# Altium PCB LimePSB-RPCM_1v3.PcbDoc (part 6 of 10) (continued)
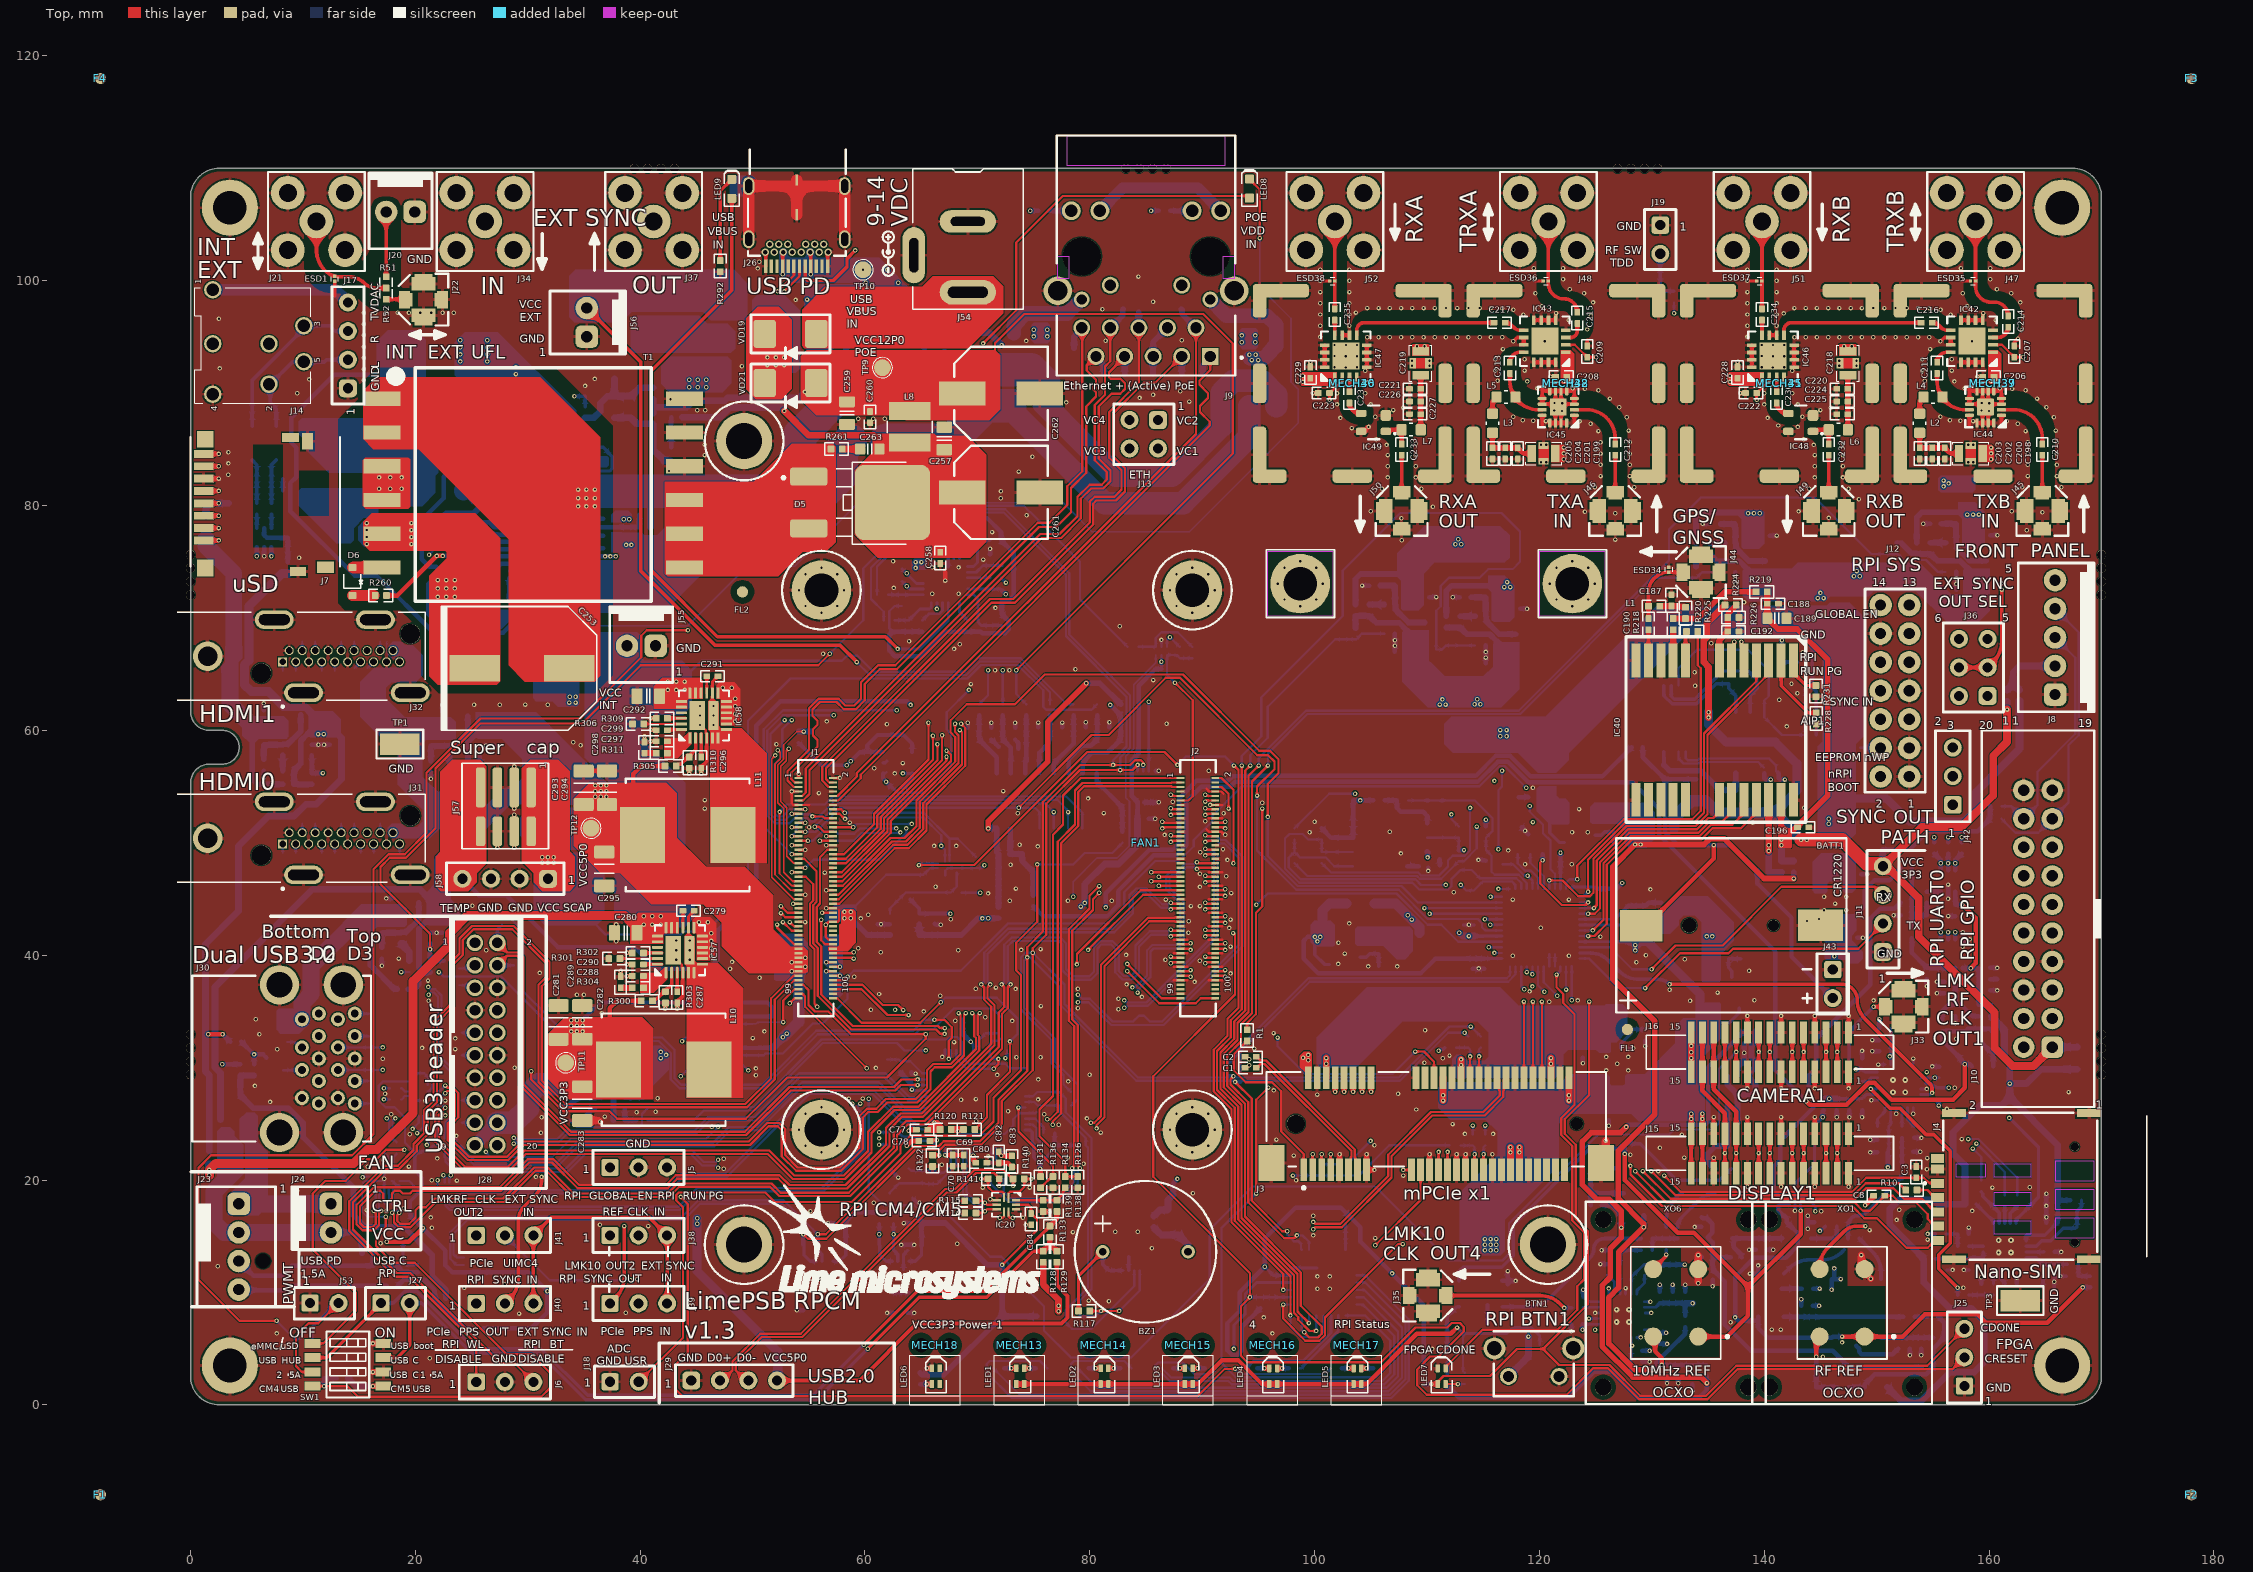
[diagram p0: Top view]
## Nets (pads, with @x,y where several pads share a name; then routed paths per layer and width w, separated by ;. In a path a pad name is that pad's centre, name@x,y a point inside that pad or via, vN(x,y) a via of type N, cw(c..) or ccw(c..) an arc to the next point about the centre after c; other vN are vias at no path point) (continued)
NetC148_1: C148.1 IC33.3 IC33.4 R180.2 | length 5.1
  Bottom w0.4: R180.2@153.14,41.489 153.14,40.208 154.374,38.974 154.424,38.974 154.474,38.924 C148.1@154.474,38.874 154.484,38.884 155.699,38.884 IC33.3@156.349,38.884
NetC150_1: C150.1 IC34.8 | length 1.3
  Bottom w0.3: C150.1@158.2,14.1 IC34.8@159.5,14.1
NetC150_2: C150.2 C151.1 R189.2 | length 2.1
  Bottom w0.3: C151.1@156.2,15.2 R189.2@157.2,15.2 C150.2@157.2,14.1
NetC154_2: C154.2 R186.1 R188.2 | length 2.1
  Bottom w0.325: R188.2@167.949,12.5 C154.2@167.949,11.45 R186.1@168.999,11.45
NetC155_1: C155.1 R193.2 | length 1.1
  Bottom w0.3: R193.2@164.799,10.4 C155.1@164.799,11.5
NetC155_2: C155.2 C156.2 IC34.20 R188.1 | length 3.9
  Bottom w0.3: IC34.20@163.3,13.1 164.199,13.1 164.649,12.65 164.699,12.65 164.849,12.5 C156.2@165.799,12.5 R188.1@166.949,12.5
NetC157_1: C157.1 IC34.4 | length 1.5
  Bottom w0.3: IC34.4@160.9,12.05 160.9,11.375 161.3,10.975 161.3,10.925 161.4,10.825 C157.1@161.45,10.825
NetC158_1: C158.1 IC34.12 R195.2 | length 3.3
  Bottom w0.3: R195.2@159.3,18.95 159.45,18.8 159.45,18.55 160.2,17.8 160.25,17.8 160.35,17.7 C158.1@160.35,17.65 ; C158.1@160.5,17.5 160.9,17.1 IC34.12@160.9,16.15
NetC160_2: C160.2 C161.2 C162.1 R204.2 XO6.4 | length 6.9
  Top w0.4: XO6.4@130.125,6.075 130.3,5.9 130.3,4.75 130.889,4.161 v1(130.889,3.551)
  Bottom w0.325: C162.1@131.35,3.55 131.353,3.547 C161.2@133.6,3.547 R204.2@134.9,3.547
  Bottom w0.4: v1(130.889,3.551) C162.1@131.35,3.55
NetC163_1: C163.1 IC36.21 | length 1.7
  Bottom w0.25: IC36.21@127.164,9.849 C163.1@127.164,11.524
NetC163_2: C163.2 C164.1 R206.2 | length 3.1
  Bottom w0.325: C163.2@127.164,12.524 R206.2@127.164,13.749 C164.1@129.049,13.749
NetC164_2: C164.2 R203.1 R209.1 R213.2 R216.1 | length 3.3
  Bottom w0.325: C164.2@130.05,13.75 R213.2@130.05,14.8 R209.1@131.275,14.8 R216.1@132.3,14.8
NetC165_2: C165.2 IC36.20 | length 1.9
  Bottom w0.25: C165.2@126.064,11.524 126.664,10.924 IC36.20@126.664,9.849
NetC166_2: C166.2 C167.2 R208.2 R210.1 XO7.5 XO8.4 | length 6
  Bottom w0.4: R210.1@124.55,17.775 C166.2@124.55,18.825 ; R208.2@124.55,20.875 C166.2@124.55,18.825 ; XO7.5@127.49,18.836 127.479,18.825 C166.2@124.55,18.825
NetC172_2: C172.2 C173.2 R214.2 XO9.9 | length 4.5
  Bottom w0.325: R214.2@111.8,4.8 C172.2@111.8,5.85 C173.2@111.8,6.85 111.8,7.85 112.675,8.725 XO9.9@112.85,8.725
NetC174_2: C174.2 XO9.7 | length 1.6
  Bottom w0.325: C174.2@115.375,7.275 XO9.7@115.375,8.9
NetC181_2: C181.2 C183.2 IC37.1 IC37.3 R215.2 R217.2 | length 12.5
  Bottom w0.5: IC37.1@136.7,29.225 136.7,28.525 137.625,27.6 ; R217.2@137.625,25.075 137.625,27.6 ; IC37.3@138.6,29.025 IC37.3@138.6,29.125 ; R215.2@139.2,33.225 C183.2@139.2,32.175 139.15,32.175 138.85,31.875 138.85,30.925 139.15,30.625 139.15,30.575 C181.2@139.2,30.575 139.2,30.025 138.6,29.425 IC37.3@138.6,29.225 IC37.3@138.6,29.125 ; 137.625,27.6 138.925,27.6 139.225,27.9 139.225,28.5 IC37.3@138.6,29.125
NetC182_2: C182.2 C184.2 IC37.5 R217.1 XO10.4 | length 7.2
  Bottom w0.5: XO10.4@135.6,21 134.95,21.65 134.95,22.325 135.65,23.025 C182.2@136.675,23.025 ; C182.2@136.7,23.025 IC37.5@136.7,26.625
NetC187_2: C187.2 L1.2 R220.1 | length 2.3
  Top w0.5: L1.2@130.7,71.05 132.9,71.05 R220.1@133,70.95
NetC190_2: C190.2 IC40.11 | length 2.7
  Top w0.325: IC40.11@129.7,66.225 C190.2@129.7,68.95
NetC195_1: C195.1 IC40.22 R230.1 R232.1 | length 8
  Top w0.6: v1(140.4,49.275) v1(140.4,49.775) IC40.22@140.4,53.825
  Bottom w0.6: R230.1@140.4,47.375 v1(140.4,49.275) v1(140.4,49.775) ; R230.1@140.425,47.375 R232.1@141.525,47.375
NetC198_3: C198.3 C200.2 C202.1 C203.2 L2.1 | length 5
  Top w0.4: L2.1@153.825,86.475 C203.2@153.825,85.137 C202.1@154.95,85.137 C200.2@156.075,85.137 C200.2@156.075,85.087 ; C200.2@156.175,85.037 156.575,84.637 C198.3@157.325,84.637
NetC199_3: C199.3 C201.2 C204.1 C205.2 L3.1 | length 5.1
  Top w0.4: L3.1@115.825,86.475 C205.2@115.825,85.137 C204.1@116.95,85.137 C201.2@118.075,85.137 118.075,85.087 118.125,85.037 118.175,85.037 118.575,84.637 C199.3@119.325,84.637
NetC210_1: C210.1 IC44.2 | length 5.6
  Top w0.3: IC44.2@161.1,88.525 IC44.2@161.475,88.525
  Top w0.325: IC44.2@161.475,88.525 162.2,88.525 cw(c162.2,85.985) 164.74,85.985 C210.1@164.74,85.475
NetC211_1: C211.1 IC42.12 | length 1.7
  Top w0.325: C211.1@155.375,92.75 cw(c156.275,92.75) 156.275,93.65 IC42.12@156.6,93.65
NetC211_2: C211.2 IC44.11 L4.2 | length 5
  Top w0.3: IC44.11@157.915,88.525 IC44.11@158.25,88.525
  Top w0.325: C211.2@155.375,91.75 155.375,91.065 ccw(c157.915,91.065) IC44.11@157.915,88.525
NetC212_1: C212.1 IC45.2 | length 5.6
  Top w0.3: IC45.2@123.1,88.525 IC45.2@123.475,88.525
  Top w0.325: IC45.2@123.475,88.525 124.2,88.525 cw(c124.2,85.985) 126.74,85.985 C212.1@126.74,85.475
NetC213_1: C213.1 IC43.12 | length 1.7
  Top w0.325: C213.1@117.375,92.75 cw(c118.275,92.75) 118.275,93.65 IC43.12@118.6,93.65
NetC213_2: C213.2 IC45.11 L5.2 | length 5
  Top w0.3: IC45.11@119.915,88.525 IC45.11@120.25,88.525
  Top w0.325: C213.2@117.375,91.75 117.375,91.065 ccw(c119.915,91.065) IC45.11@119.915,88.525
NetC214_2: C214.2 IC42.3 | length 1.9
  Top w0.325: IC42.3@160.35,94.95 160.775,94.95 ccw(c160.775,95.875) C214.2@161.7,95.875
NetC215_2: C215.2 IC43.3 | length 1.6
  Top w0.325: IC43.3@122.775,94.95 ccw(c122.775,95.55) 123.375,95.55 C215.2@123.375,96.2
NetC216_1: C216.1 IC46.9 | length 13
  Top w0.325: IC46.9@141.75,95.165 141.75,95.6 cw(c142.425,95.6) 142.425,96.275 C216.1@153.95,96.275
NetC216_2: C216.2 IC42.9 | length 1.9
  Top w0.325: C216.2@154.95,96.275 cw(c154.95,95.43) 155.547,96.028 155.775,95.8 ccw(c156.258,96.283) 156.258,95.6 IC42.9@156.6,95.6
NetC217_1: C217.1 IC47.9 | length 13
  Top w0.325: IC47.9@103.75,95.165 103.75,95.6 cw(c104.425,95.6) 104.425,96.275 C217.1@115.95,96.275
NetC217_2: C217.2 IC43.9 | length 1.9
  Top w0.325: C217.2@116.95,96.275 cw(c116.95,95.43) 117.547,96.028 117.775,95.8 ccw(c118.258,96.283) 118.258,95.6 IC43.9@118.6,95.6
NetC218_3: C218.3 C220.2 C224.1 C225.2 L6.1 | length 4.9
  Top w0.4: L6.1@147.44,86.75 C225.2@147.44,88.138 C224.1@147.44,89.263 C220.2@147.44,90.388 C218.3@147.44,91.613
NetC219_3: C219.3 C221.2 C226.1 C227.2 L7.1 | length 4.9
  Top w0.4: L7.1@109.44,86.75 C227.2@109.44,88.138 C226.1@109.44,89.263 C221.2@109.44,90.388 C219.3@109.44,91.613
NetC230_1: C230.1 IC46.3 | length 1.3
  Top w0.325: C230.1@141.1,90.122 IC46.3@141.1,91.415
NetC230_2: C230.2 IC48.3 | length 1.6
  Top w0.325: C230.2@141.1,89.122 ccw(c142.022,89.122) 142.022,88.2 IC48.3@142.14,88.2
NetC231_1: C231.1 IC47.3 | length 1.3
  Top w0.325: C231.1@103.1,90.122 IC47.3@103.1,91.415
NetC231_2: C231.2 IC49.3 | length 1.6
  Top w0.325: C231.2@103.1,89.122 ccw(c104.022,89.122) 104.022,88.2 IC49.3@104.14,88.2
NetC232_1: C232.1 IC48.1 L6.2 | length 2.7
  Top w0.325: IC48.1@144.34,86.75 L6.2@145.74,86.75 C232.1@145.74,85.475
NetC233_1: C233.1 IC49.1 L7.2 | length 2.7
  Top w0.325: IC49.1@106.34,86.75 L7.2@107.74,86.75 C233.1@107.74,85.475
NetC234_2: C234.2 IC46.12 | length 1.3
  Top w0.325: IC46.12@139.8,95.165 C234.2@139.8,96.5
NetC235_2: C235.2 IC47.12 | length 1.3
  Top w0.325: IC47.12@101.8,95.165 C235.2@101.8,96.5
NetC244_1: C244.1 IC50.5 R243.1 R255.2 | length 6.4
  Bottom w0.5: R255.2@155.773,78.39 R243.1@157.023,78.39 ; R243.1@157.075,78.338 IC50.5@157.075,76.7 157.125,76.65 157.125,76.238 158.263,75.1 C244.1@159.723,75.1
NetC245_1: C245.1 IC51.5 R244.1 R256.2 | length 6.4
  Bottom w0.5: R256.2@136.135,78.363 R244.1@137.385,78.363 ; R244.1@137.437,78.31 IC51.5@137.437,76.672 137.487,76.622 137.487,76.21 138.625,75.072 C245.1@140.085,75.072
NetC246_1: C246.1 IC52.5 R246.1 R257.2 | length 6.4
  Bottom w0.5: R257.2@113.925,71.85 R246.1@115.175,71.85 ; R246.1@115.227,71.798 IC52.5@115.227,70.16 115.277,70.11 115.277,69.698 116.415,68.56 C246.1@117.875,68.56
NetC247_1: C247.1 IC53.5 R245.1 R258.2 | length 6.4
  Bottom w0.5: R258.2@105.848,72.89 R245.1@107.098,72.89 ; R245.1@107.15,72.838 IC53.5@107.15,71.2 107.2,71.15 107.2,70.738 108.338,69.6 C247.1@109.798,69.6
NetC256_1: C256.1 IC54.16 R260.1 | length 13.6
  Top w0.4: R260.1@17.425,72 18.378,72 v1(21.903,75.525) v1(22.433,75.525)
  Bottom w0.4: v1(21.903,75.525) v1(22.433,75.525) 24.491,75.525 24.725,75.759 24.725,75.825 25.1,76.2 C256.1@25.425,76.2 25.75,76.2 26.325,76.775 IC54.16@28.446,76.775
NetC257_2: C257.2 C258.1 C261.1 C263.2 D5.2 L8.1 R264.1 | length 22.7
  Top w0.6: v1(52.825,88.425) 55,86.25 60.75,86.25 61.425,85.575 ; C263.2@61.125,85.475 61.125,85.175 C263.2@61.275,85.025 D5.2@61.275,82.201
  Bottom w0.6: R264.1@43.75,87.85 47.1,87.85 47.975,88.725 52.525,88.725 v1(52.825,88.425)
NetC263_1: C263.1 R261.2 | length 1.6
  Top w0.6: R261.2@57.975,85.025 C263.1@59.575,85.025
NetC265_2: C265.2 R270.2 | length 1.2
  Bottom w0.4: C265.2@23.225,78.5 R270.2@24.45,78.5
NetC266_1: C266.1 D8.C R269.1
NetC268_1: C268.1 D9.1 D9.4 R273.2 R274.1 | length 9.1
  Bottom w0.6: D9.4@35.1,87.825 35.9,87.825 36.45,88.375 36.45,89.075 37.1,89.725 D9.1@37.7,89.725 39.2,89.725 39.95,90.475 R273.2@41.15,90.475 ; D9.1@37.712,89.737 R274.1@37.712,91.262
NetC269_2: C269.2 IC54.20 | length 1.2
  Bottom w0.4: IC54.20@28.446,79.375 C269.2@28.446,80.596
NetC270_1: C270.1 D10.A IC55.2 IC55.4 R279.1 R280.1 R281.2 | length 42.5
  L3 w0.2: v1(72.15,94.275) 72.536,93.889 v1(72.536,73.15)
  Bottom w0.2: R280.1@72.116,73.57 v1(72.536,73.15)
  Bottom w0.4: IC55.4@58.245,93.425 58.259,93.439 58.259,93.934 59,94.675 60.45,94.675 60.747,94.378 ; IC55.2@60.747,93.393 60.747,94.378 ; R281.2@65.325,93.95 64.95,94.325 64.95,95.075 ; D10.A@67.15,97.025 67.15,96.025 66.575,95.45 R279.1@65.325,95.45 64.95,95.075 ; 60.747,94.378 61.443,95.075 C270.1@63.775,95.075 64.95,95.075
  Bottom w0.6: D10.A@67.15,97.025 69.4,97.025 69.4,95.875 69.875,95.4 71.025,95.4 v1(72.15,94.275)
NetC273_2: C273.2 IC56.24 | length 1.8
  Bottom w0.25: IC56.24@68.4,75.291 68.4,76.404 68.716,76.72 68.766,76.72 68.891,76.845 C273.2@68.891,76.895
NetC279_1: C279.1 IC57.15 | length 1.5
  Top w0.25: IC57.15@43.8,42.45 C279.1@43.8,43.95
NetC279_2: C279.2 IC57.5 IC57.6 IC57.7 IC57.14 IC57.26 L10.1 | length 8
  Top w0.2: IC57.5@44.3,38.45 44.3,34.85 46.175,32.975
  Top w0.25: IC57.14@44.3,42.45 44.3,43.45 C279.2@44.8,43.95
  other v2: 44.4,39.6 44.4,40.45 44.4,41.3
NetC287_1: C287.1 IC57.3 | length 2.1
  Top w0.309: C287.1@43.3,36.75 IC57.3@43.3,38.45 IC57.3@43.3,38.85
NetC288_1: C288.1 IC57.1 R304.2 | length 3.7
  Top w0.2: C288.1@40.35,38.175 41.675,38.175 ; 41.157,36.75 41.157,37.657 41.675,38.175 ; IC57.1@42.3,38.45 42.025,38.175 41.675,38.175
NetC289_1: C289.1 R304.1 | length 1
  Top w0.5: C289.1@38.261,37.1 R304.1@39.3,37.1
NetC290_1: C290.1 IC57.24 | length 1.7
  Top w0.309: C290.1@40.25,39.2 IC57.24@41.9,39.2
NetC291_1: C291.1 IC58.15 | length 1.5
  Top w0.25: IC58.15@45.925,63.325 C291.1@45.925,64.825
NetC291_2: C291.2 IC58.5 IC58.6 IC58.7 IC58.14 IC58.26 L11.1 | length 8
  Top w0.2: IC58.5@46.425,59.325 46.425,55.725 48.3,53.85
  Top w0.25: IC58.14@46.425,63.325 46.425,64.325 C291.2@46.925,64.825
  other v2: 46.525,60.475 46.525,61.325 46.525,62.175
NetC296_1: C296.1 IC58.3 | length 2.1
  Top w0.309: C296.1@45.425,57.625 IC58.3@45.425,59.325 IC58.3@45.425,59.725
NetC297_1: C297.1 IC58.1 R311.2 | length 3.7
  Top w0.2: C297.1@42.475,59.05 43.8,59.05 ; 43.282,57.625 43.282,58.532 43.8,59.05 ; IC58.1@44.425,59.325 44.15,59.05 43.8,59.05
NetC298_1: C298.1 R311.1 | length 1
  Top w0.5: C298.1@40.386,57.975 R311.1@41.425,57.975
NetC299_2: C299.2 IC58.24 | length 1.7
  Top w0.309: C299.2@42.375,60.075 IC58.24@44.025,60.075
NetC301_2: C301.2 FR18.2 IC59.5 IC59.8
NetC310_2: C310.2 FR20.2 IC64.5 IC64.8 | length 4.1
  Bottom w0.2: IC64.8@122.2,51.975 C310.2@122.2,53.375
  Bottom w0.3: 120.925,51.95 120.925,50.9 121.8,50.025 IC64.5@122.2,50.025
NetD3_C: D3.C D4.C | length 8.7
  Bottom w1.7: D4.C@24.3,81.325 28.85,85.875 D3.C@31.075,85.875
NetD4_A: D4.A D8.A R269.2 T1.3 T1.4 VT3.5 VT3.6 VT3.7 VT3.8 VT3.PAD
  other v1: 16.775,81.5 17.775,81.5 18.775,81.5 16.775,82.5 17.775,82.5 18.775,82.5
NetD5_1: D5.1 D5.3 R261.1 T1.7 T1.8 T1.9
NetD6_C: D6.C R260.2 | length 1.9
  Top w1: D6.C@14.4,72 R260.2@16.3,72
NetD7_A: D7.A R266.1 VT4.1 | length 17.9
  Bottom w0.4: R266.1@21.875,74.525 21.875,74.575 21.225,74.575 20.575,75.225 20.575,78.725 22.525,80.675 22.525,82.575 23.125,83.175 23.65,83.175 VT4.1@25.075,84.6 25.275,84.8 D7.A@25.275,89.225
NetD7_C: D7.C VT3.4 VT4.2 | length 6.1
  Bottom w0.4: VT3.4@21.505,89.22 21.51,89.225 D7.C@22.775,89.225 22.775,89.175 22.875,89.075 22.925,89.075 23.175,88.825 VT4.2@23.175,84.6
NetD10_C: D10.C IC55.1 IC55.3 R281.1 | length 9.2
  Bottom w0.4: IC55.3@59.515,93.425 59.515,92.935 60.25,92.2 61.352,92.2 62.102,92.95 R281.1@65.325,92.95 66.375,92.95 66.74,93.315 66.74,93.47 66.995,93.725 D10.C@67.15,93.725
NetF9_2: F9.2 VD19.K VD20.K VD21.K
  other v1: 51.325,92.5 52.075,92.5 52.825,92.5 51.325,93.175 52.075,93.175 52.825,93.175
NetF10_2: F10.2 R307.1 R308.1 VD23.K
NetFR4_2: FR4.2 R165.1 R171.2 R172.1 R175.1 | length 13.5
  Bottom w0.4: R165.1@147.525,1.575 FR4.2@148.95,1.575 148.95,1.85 148.975,1.85 149.15,2.025 149.15,2.05 149.825,2.725 154.4,2.725 R175.1@155.025,3.35 155.025,5 R171.2@156.015,5.99 156.015,7.31 R172.1@155.5,7.825
NetFR9_2: FR9.2 R204.1 R210.2 R212.1 R215.1 | length 83.1
  Top w0.5: v1(127.725,24.725) 127.225,24.225 124.625,24.225 123.825,23.425 123.825,19.575 125.125,18.275 126.225,18.275 127.274,17.226 v1(127.274,15.775) 127.274,14.874 126.3,13.9 126.3,11.35 125.575,10.625 125.575,5.2 128.311,2.464 134.371,2.464 v1(134.899,1.936)
  Bottom w0.4: R212.1@111.8,1.7 112.875,0.625 122.525,0.625 124.825,2.925 126.425,2.925 128.725,0.625 134.2,0.625 134.9,1.325 R204.1@134.9,2.547 ; R210.2@125.55,17.775 125.557,17.768 126.407,17.768 127.275,16.9 FR9.2@127.275,16.8 FR9.2@127.275,16.65 ; v1(127.725,24.725) 127.9,24.9 134.725,24.9 135,25.175 135,30.025 R215.1@138.2,33.225
  Bottom w0.5: v1(127.274,15.775) FR9.2@127.274,16.649
NetFR17_1: FR17.1 L9.1 R299.1
NetIC4_4: IC4.4 R25.2 | length 1.3
  Bottom w0.5: R25.2@8.2,56.438 IC4.4@8.2,57.775
NetIC5_4: IC5.4 R38.1 | length 1.2
  Bottom w0.325: IC5.4@5.9,77.975 R38.1@5.9,79.225
NetIC5_6: IC5.6 R33.1 | length 1.3
  Bottom w0.325: IC5.6@7.2,77.975 R33.1@7.2,79.225
NetIC10_7: IC10.7 R66.2 | length 3.2
  Bottom w0.3: R66.2@18.875,14.5 18.9,14.475 18.9,12.7 19.15,12.45 IC10.7@20.2,12.45
NetIC16_4: IC16.4 R94.2 | length 1.4
  Bottom w0.3: R94.2@141.575,66.075 142.959,66.075 IC16.4@142.965,66.08
NetIC18_1: IC18.1 R111.1 R113.1 | length 5.4
  Bottom w0.4: R113.1@106.225,53.775 R111.1@107.325,53.775 107.325,53.1 107.675,52.75 109.666,52.75 110.025,52.391 IC18.1@110.025,51.73
NetIC19_44: IC19.44 R118.2 | length 2.5
  Bottom w0.2: IC19.44@74.25,25.45 75.15,25.45 75.875,24.725 R118.2@75.875,24.175
NetIC19_45: IC19.45 R123.1 | length 2.9
  Bottom w0.2: IC19.45@74.25,24.95 74.9,24.95 75.25,24.6 75.25,23.7 R123.1@75.875,23.075
NetIC19_63: IC19.63 R122.1 | length 1.2
  Top w0.3: R122.1@66.012,22.212 66.613,22.212 v1(66.625,22.225)
  Bottom w0.2: v1(66.625,22.225) IC19.63@66.625,22.825
NetIC20_10: IC20.10 R134.1 R138.2 R139.1 | length 5
  Top w0.2: IC20.10@73.425,18.2 R138.2@77,18.2 ; R138.2@77.075,18.2 77.625,18.75 77.625,19.106 R134.1@77.825,19.306
NetIC23_3: IC23.3 R145.1 R146.1 | length 2.1
  Bottom w0.4: IC23.3@38.625,26.387 R145.1@38.625,25.329 R146.1@39.666,25.329
NetIC23_4: IC23.4 R149.1 | length 1.7
  Bottom w0.4: R149.1@34.7,25.375 34.8,25.475 34.913,25.475 35.825,26.387 IC23.4@36.025,26.387
NetIC24_3: IC24.3 R153.1 R154.1 R156.1 | length 104.6
  Top w0.2: v1(21.313,40.525) 21.313,41.912 16.9,46.325 16.9,47.85 17.725,48.675 19.174,48.675 21.785,51.286 21.785,56.611 25.799,60.625 34.875,60.625 40.05,65.8 55.85,65.8 v1(56.875,66.825)
  Bottom w0.2: v1(56.875,66.825) 59.85,69.8 59.85,74.4 65.425,79.975 69.5,79.975 74.116,79.975 74.691,79.4 74.725,79.4 79.125,75 79.125,71.675 R156.1@83.35,67.45
  Bottom w0.4: IC24.3@21.313,41.05 v1(21.313,40.525) R153.1@21.313,39.5 21.926,39.5 R154.1@22.538,39.5
NetIC24_4: IC24.4 R158.1 | length 2
  Bottom w0.6: IC24.4@18.713,41.05 18.913,41.05 18.913,40.85 19.463,40.3 R158.1@19.463,39.5
NetIC27_3: IC27.3 R160.1 | length 1.3
  Bottom w0.5: R160.1@25.675,56.338 IC27.3@25.675,57.675
NetIC27_4: IC27.4 R162.2 | length 1.3
  Bottom w0.5: R162.2@23.075,56.338 IC27.4@23.075,57.675
NetIC30_24: IC30.24 R166.1 | length 2
  Bottom w0.25: R166.1@150.075,24.75 150.075,25.425 150.75,26.1 IC30.24@150.75,26.425
NetIC34_11: IC34.11 R187.1 | length 2.3
  Bottom w0.3: R187.1@158.864,17.84 160.4,16.304 IC34.11@160.4,16.15
NetIC34_13: IC34.13 R197.2 | length 1.5
  Bottom w0.3: IC34.13@161.4,16.15 R197.2@161.4,17.65
NetIC34_14: IC34.14 R198.2 | length 1.7
  Bottom w0.3: IC34.14@161.9,16.15 161.9,17.05 R198.2@162.5,17.65
NetIC34_19: IC34.19 R192.1 | length 1.6
  Bottom w0.3: IC34.19@163.3,13.6 R192.1@164.849,13.6 R192.1@164.864,13.615
NetIC35_6: IC35.6 R196.2 | length 1.2
  Bottom w0.4: R196.2@154.465,45.649 IC35.6@155.699,45.649
NetIC36_24: IC36.24 R205.1 | length 2
  Bottom w0.25: IC36.24@128.664,9.849 128.664,10.174 129.339,10.849 R205.1@129.339,11.524
NetIC40_1: IC40.1 R231.2 | length 3.6
  Top w0.3: IC40.1@142.6,66.225 142.6,65.1 143.7,64 R231.2@144.6,64
NetIC40_2: IC40.2 R228.2 | length 6.4
  Top w0.3: IC40.2@141.5,66.225 141.5,63.975 143.9,61.575 R228.2@144.625,61.575
NetIC40_8: IC40.8 R225.2 | length 2.6
  Top w0.325: IC40.8@133,66.225 133,68.8 R225.2@133.075,68.8
NetIC50_4: IC50.4 R251.2 | length 1.3
  Bottom w0.5: R251.2@154.788,76.7 IC50.4@156.125,76.7
NetIC51_4: IC51.4 R252.2 | length 1.3
  Bottom w0.5: R252.2@135.15,76.672 IC51.4@136.487,76.672
NetIC52_4: IC52.4 R253.2 | length 1.3
  Bottom w0.5: R253.2@112.94,70.16 IC52.4@114.277,70.16
NetIC53_4: IC53.4 R254.2 | length 1.3
  Bottom w0.5: R254.2@104.863,71.2 IC53.4@106.2,71.2
NetIC54_2: IC54.2 R259.2 | length 2.3
  Bottom w0.4: IC54.2@34.454,78.725 35.675,78.725 35.8,78.85 R259.2@36.725,78.85
NetIC54_3: IC54.3 R267.1 R268.1 R271.1 | length 6.6
  Bottom w0.4: IC54.3@34.454,78.075 R271.1@38.825,78.075 R267.1@39.925,78.075 R268.1@39.925,79.175
NetIC54_4: IC54.4 R262.2 | length 2.3
  Bottom w0.4: IC54.4@34.454,77.425 35.8,77.425 35.925,77.3 R262.2@36.725,77.3
NetIC54_5: IC54.5 R265.1 | length 2.5
  Bottom w0.4: IC54.5@34.454,76.775 35.35,76.775 35.925,76.2 R265.1@36.725,76.2
NetIC54_11: IC54.11 R276.2 | length 2.1
  Bottom w0.4: R276.2@28.346,71.454 IC54.11@28.346,73.525
NetIC54_12: IC54.12 R275.2 | length 3.6
  Bottom w0.4: IC54.12@28.446,74.175 29.201,74.175 29.575,73.801 R275.2@29.575,71.45
NetIC54_15: IC54.15 R266.2 | length 5.5
  Bottom w0.4: R266.2@23.575,74.525 24.025,74.975 26.1,74.975 27.25,76.125 IC54.15@28.446,76.125
NetIC56_9: IC56.9 LED9.A | length 68
  Top w0.3: LED9.A@48.15,107.325 48.15,99.15 40.975,91.975 40.975,74.225 46.875,68.325 61.825,68.325 v1(62.9,67.25)
  Bottom w0.25: v1(62.9,67.25) 64.9,67.25 67.4,69.75 IC56.9@67.4,71.359
NetIC56_10: IC56.10 R298.2 | length 2.8
  Bottom w0.25: R298.2@65.116,69.795 65.691,70.37 66.591,70.37 66.9,70.679 IC56.10@66.9,71.359
NetIC57_2: IC57.2 R300.2 R303.2 | length 4.7
  Top w0.309: R300.2@41.084,35.959 41.218,36.093 41.443,36.093 42.052,36.702 42.089,36.739 R303.2@42.125,36.775 ; R303.2@42.004,36.604 R303.2@42.077,36.677 ; R303.2@42.152,36.752 42.8,37.4 42.8,37.625 ; IC57.2@42.8,38.85 IC57.2@42.8,38.45 ; 42.8,37.625 IC57.2@42.8,38.45 ; 42.8,37.625 IC57.2@42.8,38.45
NetIC57_22: IC57.22 R302.1 | length 1.6
  Top w0.309: R302.1@40.3,40.2 IC57.22@41.55,40.2 IC57.22@41.9,40.2
NetIC57_23: IC57.23 R301.1 | length 3.4
  Top w0.2: R301.1@38.2,39.7 IC57.23@41.55,39.7
NetIC58_2: IC58.2 R305.1 R310.2 | length 4.7
  Top w0.309: R305.1@43.209,56.834 43.343,56.968 43.568,56.968 44.177,57.577 44.214,57.614 R310.2@44.25,57.65 ; R310.2@44.13,57.479 R310.2@44.202,57.552 ; R310.2@44.277,57.627 44.925,58.275 44.925,58.5 ; IC58.2@44.925,59.725 IC58.2@44.925,59.325 ; 44.925,58.5 IC58.2@44.925,59.325 ; 44.925,58.5 IC58.2@44.925,59.325
NetIC58_22: IC58.22 R309.1 | length 1.6
  Top w0.309: R309.1@42.425,61.075 IC58.22@43.675,61.075 IC58.22@44.025,61.075
NetIC58_23: IC58.23 R306.1 | length 3.4
  Top w0.2: R306.1@40.325,60.575 IC58.23@43.675,60.575
NetIC59_3: IC59.3 R314.1 R318.1 | length 3.2
  Bottom w0.3: R318.1@143.8,41.55 R314.1@144.9,41.55 145.05,41.7 145.05,41.9 145.975,42.825 IC59.3@145.975,43.225
NetIC60_3: IC60.3 R315.2 R320.2 | length 2.9
  Bottom w0.3: IC60.3@137.125,38.025 137.125,38.575 136.825,38.875 R315.2@136.825,39.675 R320.2@137.925,39.675
NetIC61_3: IC61.3 R316.1 R319.1 | length 2.9
  Bottom w0.3: IC61.3@104.05,39.825 104.6,39.825 104.9,40.125 R316.1@105.7,40.125 R319.1@105.7,39.025
NetIC62_2: IC62.2 R313.2 R317.1 | length 2.9
  Bottom w0.4: R313.2@159.1,32.45 160.375,31.175 IC62.2@160.375,30.125
NetIC63_3: IC63.3 R322.1 R324.1 | length 3.2
  Bottom w0.3: IC63.3@127.25,31.725 127.25,32.125 128.175,33.05 128.175,33.25 R322.1@128.325,33.4 R324.1@129.425,33.4
NetIC64_3: IC64.3 R323.1 R325.1 | length 2.9
  Bottom w0.3: IC64.3@124.95,50.675 125.5,50.675 125.8,50.975 R323.1@126.6,50.975 R325.1@126.6,49.875
NetJ3_1: J3.1 R1.2 | length 15.9
  Top w0.2: R1.2@94,32.375 92.8,31.175 92.8,29.775 93.875,28.7 96.216,28.7 97.025,27.891 97.025,24.325 99.025,22.325 J3.1@99.025,20.9
NetJ9_16: J9.16 R29.1 | length 2
  Bottom w0.4: R29.1@87.15,106.225 J9.16@89.1,106.225
NetJ9_18: J9.18 R30.1 | length 2
  Bottom w0.4: R30.1@76.4,106.225 J9.18@78.36,106.225
NetJ23_3: J23.3 R71.2 R72.1 | length 14
  Bottom w0.4: J23.3@4.287,12.795 5.582,11.5 8.15,11.5 9.025,12.375 R72.1@16.25,12.375 R71.2@16.25,13.475
NetJ23_4: J23.4 R75.1 | length 13.4
  Bottom w0.4: J23.4@4.287,10.252 4.339,10.2 8.475,10.2 8.875,10.6 R75.1@17.45,10.6
NetJ33_1: J33.1 R167.1 | length 8.4
  Top w0.325: v1(149.725,35.425) J33.1@150.7,35.425
  Bottom w0.325: R167.1@147.575,28.75 147.575,32.223 cw(c150.115,32.223) 148.319,34.019 v1(149.725,35.425)
NetJ35_1: J35.1 R207.1 | length 11.4
  Top w0.325: J35.1@111.775,9.725 120.048,9.725 cw(c120.048,7.185) 121.844,8.981 v1(122.2,8.625)
  Bottom w0.325: v1(122.2,8.625) R207.1@122.864,8.624
NetL2_2: L2.2 L4.1 | length 1.6
  Top w0.4: L2.2@153.825,88.175 153.825,89.25 154.175,89.6 L4.1@154.175,89.65
NetL3_2: L3.2 L5.1 | length 1.6
  Top w0.4: L3.2@115.825,88.175 115.825,89.25 116.175,89.6 L5.1@116.175,89.65
NetLED1_3: LED1.3 R67.2 | length 1.1
  Top w0.4: v1(73.01,3.253) LED1.3@73.46,3.253
  Bottom w0.4: R67.2@72.41,3.253 v1(73.01,3.253)
NetLED1_4: LED1.4 R68.2 | length 1.1
  Top w0.4: LED1.4@74.16,3.253 v1(74.61,3.253)
  Bottom w0.4: v1(74.61,3.253) R68.2@75.21,3.253
NetLED2_3: LED2.3 R70.2 | length 1.1
  Top w0.4: v1(80.51,3.253) LED2.3@80.96,3.253
  Bottom w0.4: R70.2@79.91,3.253 v1(80.51,3.253)
NetLED2_4: LED2.4 R73.2 | length 1.1
  Top w0.4: LED2.4@81.66,3.253 v1(82.11,3.253)
  Bottom w0.4: v1(82.11,3.253) R73.2@82.71,3.253
NetLED3_3: LED3.3 R76.2 | length 1.1
  Top w0.4: v1(88.01,3.253) LED3.3@88.46,3.253
  Bottom w0.4: R76.2@87.41,3.253 v1(88.01,3.253)
NetLED3_4: LED3.4 R78.2 | length 1.1
  Top w0.4: LED3.4@89.16,3.253 v1(89.61,3.253)
  Bottom w0.4: v1(89.61,3.253) R78.2@90.21,3.253
NetLED4_3: LED4.3 R81.2 | length 1.1
  Top w0.4: v1(95.51,3.25) LED4.3@95.96,3.25
  Bottom w0.4: R81.2@94.91,3.25 v1(95.51,3.25)
NetLED4_4: LED4.4 R85.2 | length 1.1
  Top w0.4: LED4.4@96.66,3.25 v1(97.11,3.25)
  Bottom w0.4: v1(97.11,3.25) R85.2@97.71,3.25
NetLED5_3: LED5.3 R89.2 | length 1.1
  Top w0.4: v1(103.01,3.25) LED5.3@103.46,3.25
  Bottom w0.4: R89.2@102.41,3.25 v1(103.01,3.25)
NetLED5_4: LED5.4 R91.2 | length 1.1
  Top w0.4: LED5.4@104.16,3.25 v1(104.61,3.25)
  Bottom w0.4: v1(104.61,3.25) R91.2@105.21,3.25
NetLED6_1: LED6.1 R95.1 | length 1.1
  Top w0.4: v1(65.51,1.853) LED6.1@65.96,1.853
  Bottom w0.4: R95.1@64.91,1.853 v1(65.51,1.853)
NetLED7_2: LED7.2 R326.1 | length 1.7
  Top w0.2: LED7.2@111.66,1.85 v1(112.75,1.85)
  Bottom w0.2: v1(112.75,1.85) R326.1@113.35,1.85
NetLED8_K: LED8.K R278.1 | length 106.6
  Top w0.2: LED8.K@94.2,109.05 95.125,108.125 v1(95.125,103.8)
  Bottom w0.15: R278.1@26,70.45 26.5,70.95 30.125,70.95 31.775,69.3 44.225,69.3 49.525,74.6 53.75,74.6 59.4,80.25 77.625,80.25 80.2,77.675 88.875,77.675 98.55,87.35 98.55,90.35 97.9,91 97.9,96.65 95.125,99.425 v1(95.125,103.8)
NetLED9_K: LED9.K R292.1 | length 7.6
  Top w0.3: R292.1@47.125,101.8 47.125,108 LED9.K@48.15,109.025
NetR86_2: R86.2 R88.2 R90.2 VT2.G | length 32.4
  Bottom w0.5: R86.2@5.65,29.3 R88.2@4.425,29.3 VT2.G@4.425,27.75 4.425,27.55 5.575,26.4 8.71,26.4 10.01,25.1 10.01,23.815 14.5,19.325 14.5,16.875 15.55,15.825 18.979,15.825 21.5,13.304 21.5,11.45 22.7,10.25 R90.2@22.7,9.5
NetR164_2: R164.2 XO1.3 | length 6.7
  Top w0.325: XO1.3@144.925,12.075 144.925,12.198 cw(c147.465,12.198) 145.669,13.994 147.1,15.425 cw(c148.247,14.278) 148.247,15.9 v1(149,15.9)
  Bottom w0.325: R164.2@148.45,15.9 v1(149,15.9)
NetR169_1: R169.1 XO2.6 | length 4.4
  Bottom w0.4: XO2.6@148.189,5.24 148.439,4.99 148.439,4.711 148.65,4.5 151.425,4.5 R169.1@151.915,4.99
NetR170_2: R170.2 XO2.4 XO3.3 | length 4.3
  Bottom w0.325: R170.2@148.45,14.8 149.645,13.605 cw(c147.849,11.809) 150.389,11.809 XO2.4@150.389,11.19
NetR172_2: R172.2 R174.1 | length 1.1
  Bottom w0.4: R174.1@153.375,7.825 R172.2@154.5,7.825
NetR173_1: R173.1 XO4.6 | length 6
  Bottom w0.325: XO4.6@141.75,11.675 142.231,12.156 cw(c144.027,10.36) 144.027,12.9 145.173,12.9 ccw(c145.173,15.44) 146.969,13.644 147.125,13.8
NetR176_2: R176.2 R178.1 XO5.3 | length 3.4
  Bottom w0.325: XO5.3@144.125,14.8 R176.2@146.45,14.8 R178.1@146.45,15.9
NetR203_2: R203.2 XO6.3 | length 2.2
  Top w0.325: XO6.3@130.125,12.075 131.169,13.119 ccw(c130.913,13.375) v1@131.275,13.375
  Bottom w0.325: v1(131.274,13.374) R203.2@131.275,13.8
NetR208_1: R208.1 XO7.6 | length 2.5
  Bottom w0.4: R208.1@124.55,21.875 125.651,21.875 126.49,21.036 XO7.6@126.74,21.036
NetR209_2: R209.2 XO7.4 XO8.3 | length 3.6
  Bottom w0.325: R209.2@131.275,15.8 131.275,16.369 cw(c133.815,16.369) 132.019,18.165 132.103,18.249 132.103,18.399 132.54,18.836 XO7.4@132.69,18.836
NetR212_2: R212.2 R214.1 | length 1.1
  Bottom w0.325: R212.2@111.8,2.7 R214.1@111.8,3.8
NetR213_1: R213.1 XO9.6 | length 15.1
  Bottom w0.325: XO9.6@116.7,8.725 119.073,8.725 ccw(c119.073,11.265) 120.869,9.469 124.542,13.142 ccw(c123.859,13.825) 124.825,13.825 cw(c125.8,13.825) 125.8,14.8 R213.1@129.05,14.8
NetR216_2: R216.2 XO10.3 | length 4.7
  Bottom w0.325: R216.2@132.3,15.8 cw(c133.567,15.8) 132.671,16.696 134.192,18.217 cw(c135.6,16.808) XO10.3@135.6,18.8
NetR218_1: R218.1 R219.2 R220.2 | length 8.4
  Top w0.5: R218.1@131.9,69.95 R220.2@133,69.95 134.1,69.95 136.475,72.325 R219.2@139.275,72.325
NetR275_1: R275.1 R277.2 VT3.1 VT3.2 VT3.3 | length 44.7
  Bottom w0.4: 17.425,91.65 12.775,91.65 8.95,87.825 8.95,85.617 9.4,85.167 9.4,82.533 8.875,82.008 8.875,79.5 14.6,73.775 16.55,73.775 21.65,68.675 27.8,68.675 R275.1@29.575,70.45
PCIE_CLK_N: C1.1 J3.11 | length 13.6
  Top w0.2: C1.1@94.8,29.975 94.85,29.975 95.2,30.325 95.551,30.325 103.275,22.601 103.275,22.074 103.225,22.024 103.225,21.1 J3.11@103.025,20.9
PCIE_CLK_P: C2.1 J3.13 | length 14.1
  Top w0.2: C2.1@94.8,30.975 94.85,30.975 95.2,30.625 95.675,30.625 103.575,22.725 103.575,22.074 103.625,22.024 103.625,21.1 J3.13@103.825,20.9
PCIE_COEX1: J3.3 R211.2 | length 2.4
  Top w0.2: J3.3@99.825,20.9 v1(99.825,22.3)
  Bottom w0.2: R211.2@99.7,21.4 99.825,21.525 v1(99.825,22.3)
PCIE_COEX2: J3.5 R2.1 R3.1 | length 3.5
  Top w0.2: J3.5@100.625,20.9 v1(100.625,22.3)
  Bottom w0.2: v1(100.625,22.3) 100.625,21.525 R2.1@100.75,21.4 ; R2.1@100.8,21.4 R3.1@101.9,21.4
PCIE_LED_WLAN: J1.41 J3.44 | length 86.1
  Top w0.2: J1.41@54.085,47.775 v1(54.695,47.775) ; J3.44@119.425,29.1 v1(119.425,35.875)
  L3 w0.1: v1(63.675,51.275) 64.25,51.275 70.45,57.475 97.3,57.475 110.875,43.9 110.875,42.642 113.146,40.371 114.404,40.371 118.55,36.225 119.075,36.225 v1(119.425,35.875)
  Bottom w0.2: v1(54.695,47.775) 55.42,48.5 61.3,48.5 63.675,50.875 v1(63.675,51.275)